# Altium PCB PCIE to MXM3.1 Riser Mini.PCBDOC
Units mm, origin at the board's own origin, x right, y up, seen from the top; angles counter-clockwise.
Board outline 148 x 111.15 mm, 4 copper layers (TopLayer, InternalPlane1, InternalPlane2, BottomLayer); 7 components, 81 nets, 551 pads, 4 vias.
Unrouted connection lines stored in the file: 69.
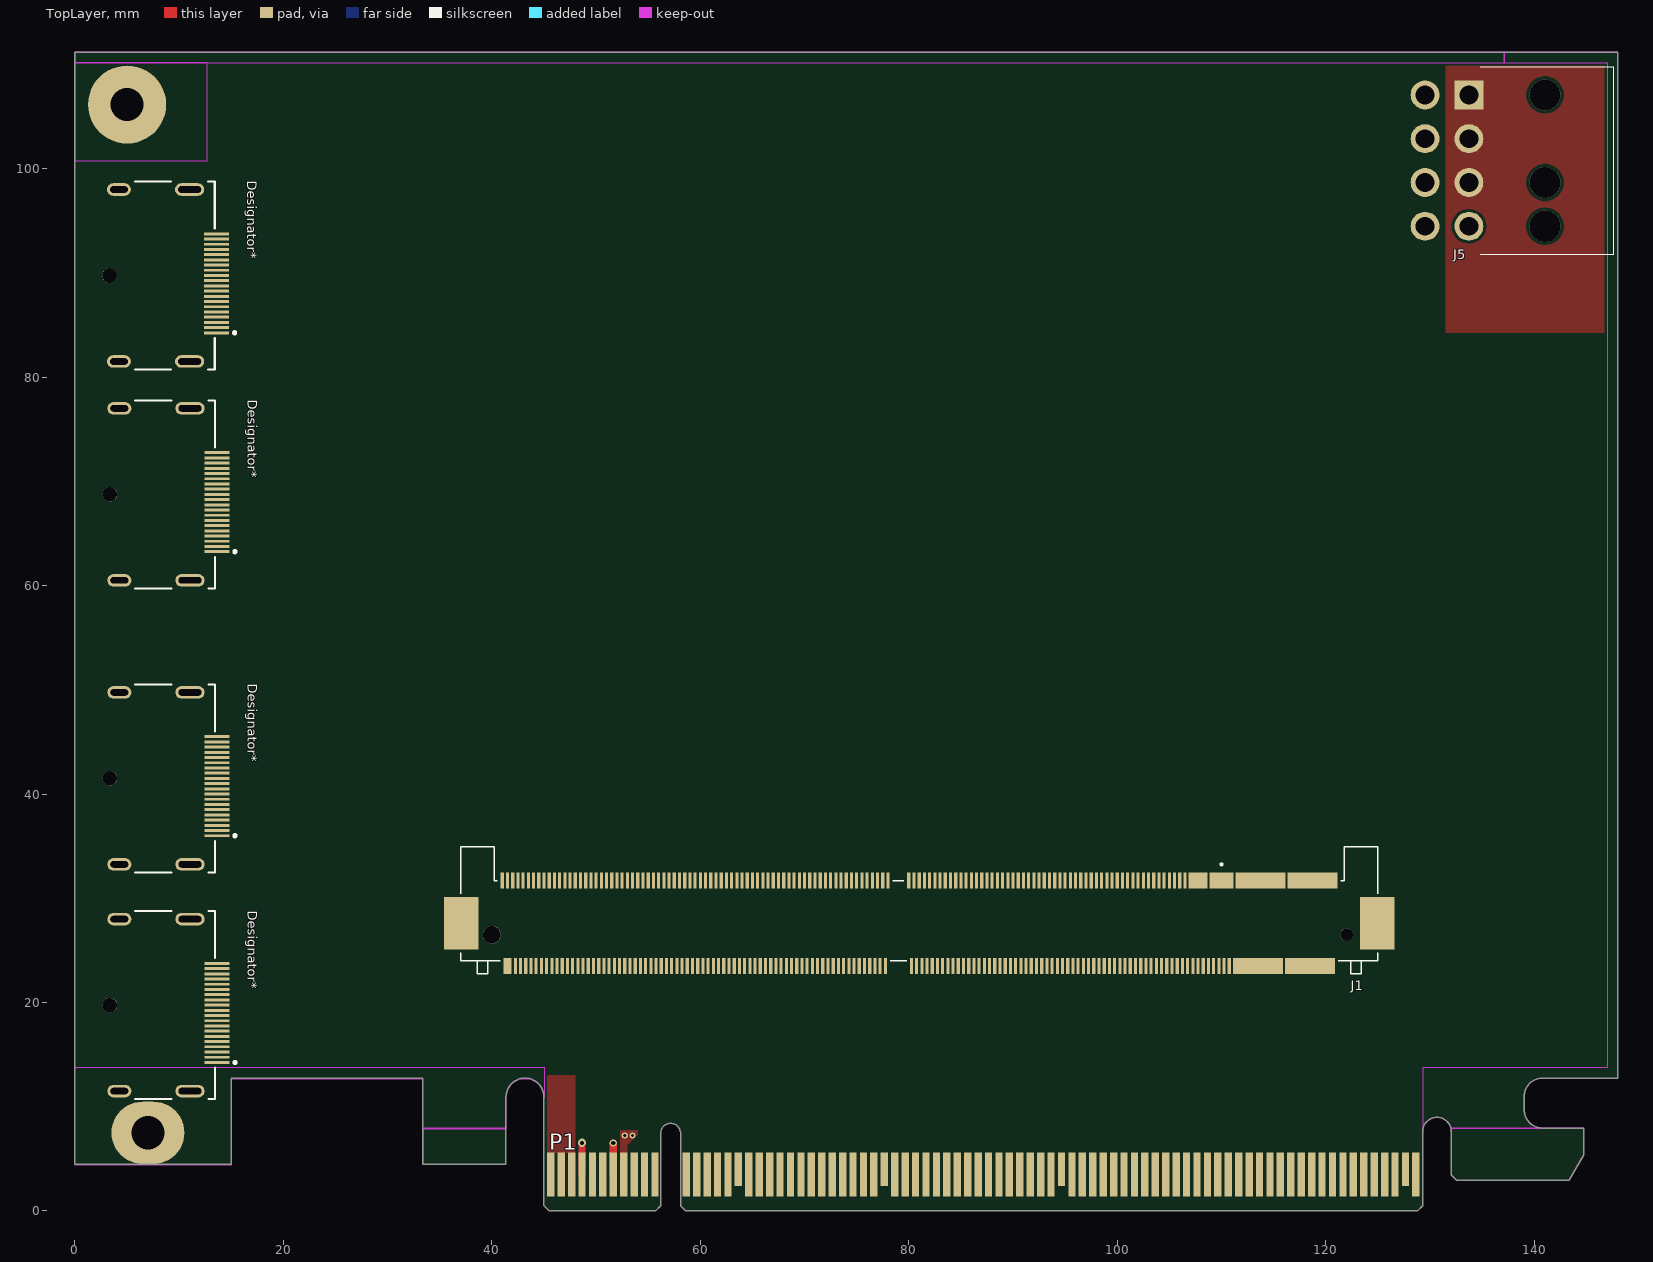
[diagram p0: TopLayer view]
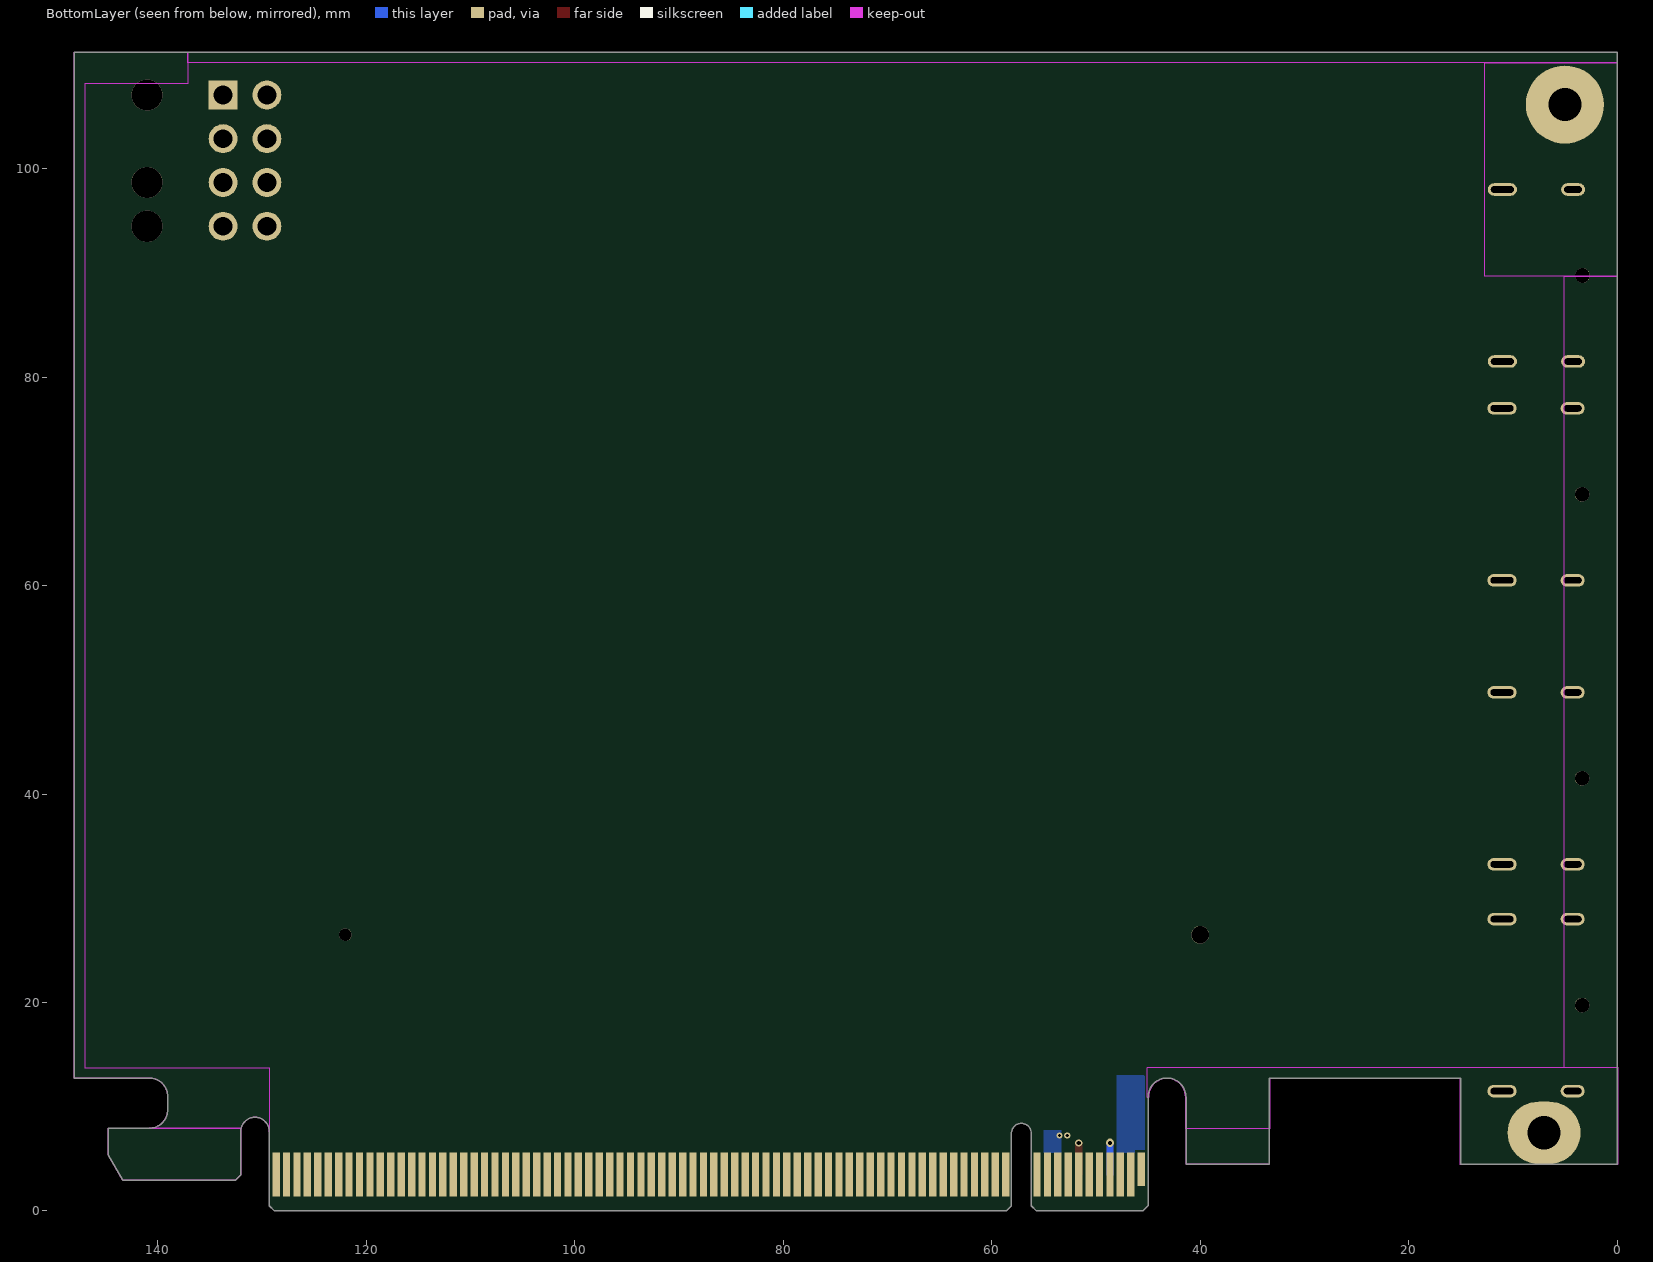
[diagram p1: BottomLayer view, seen from below]
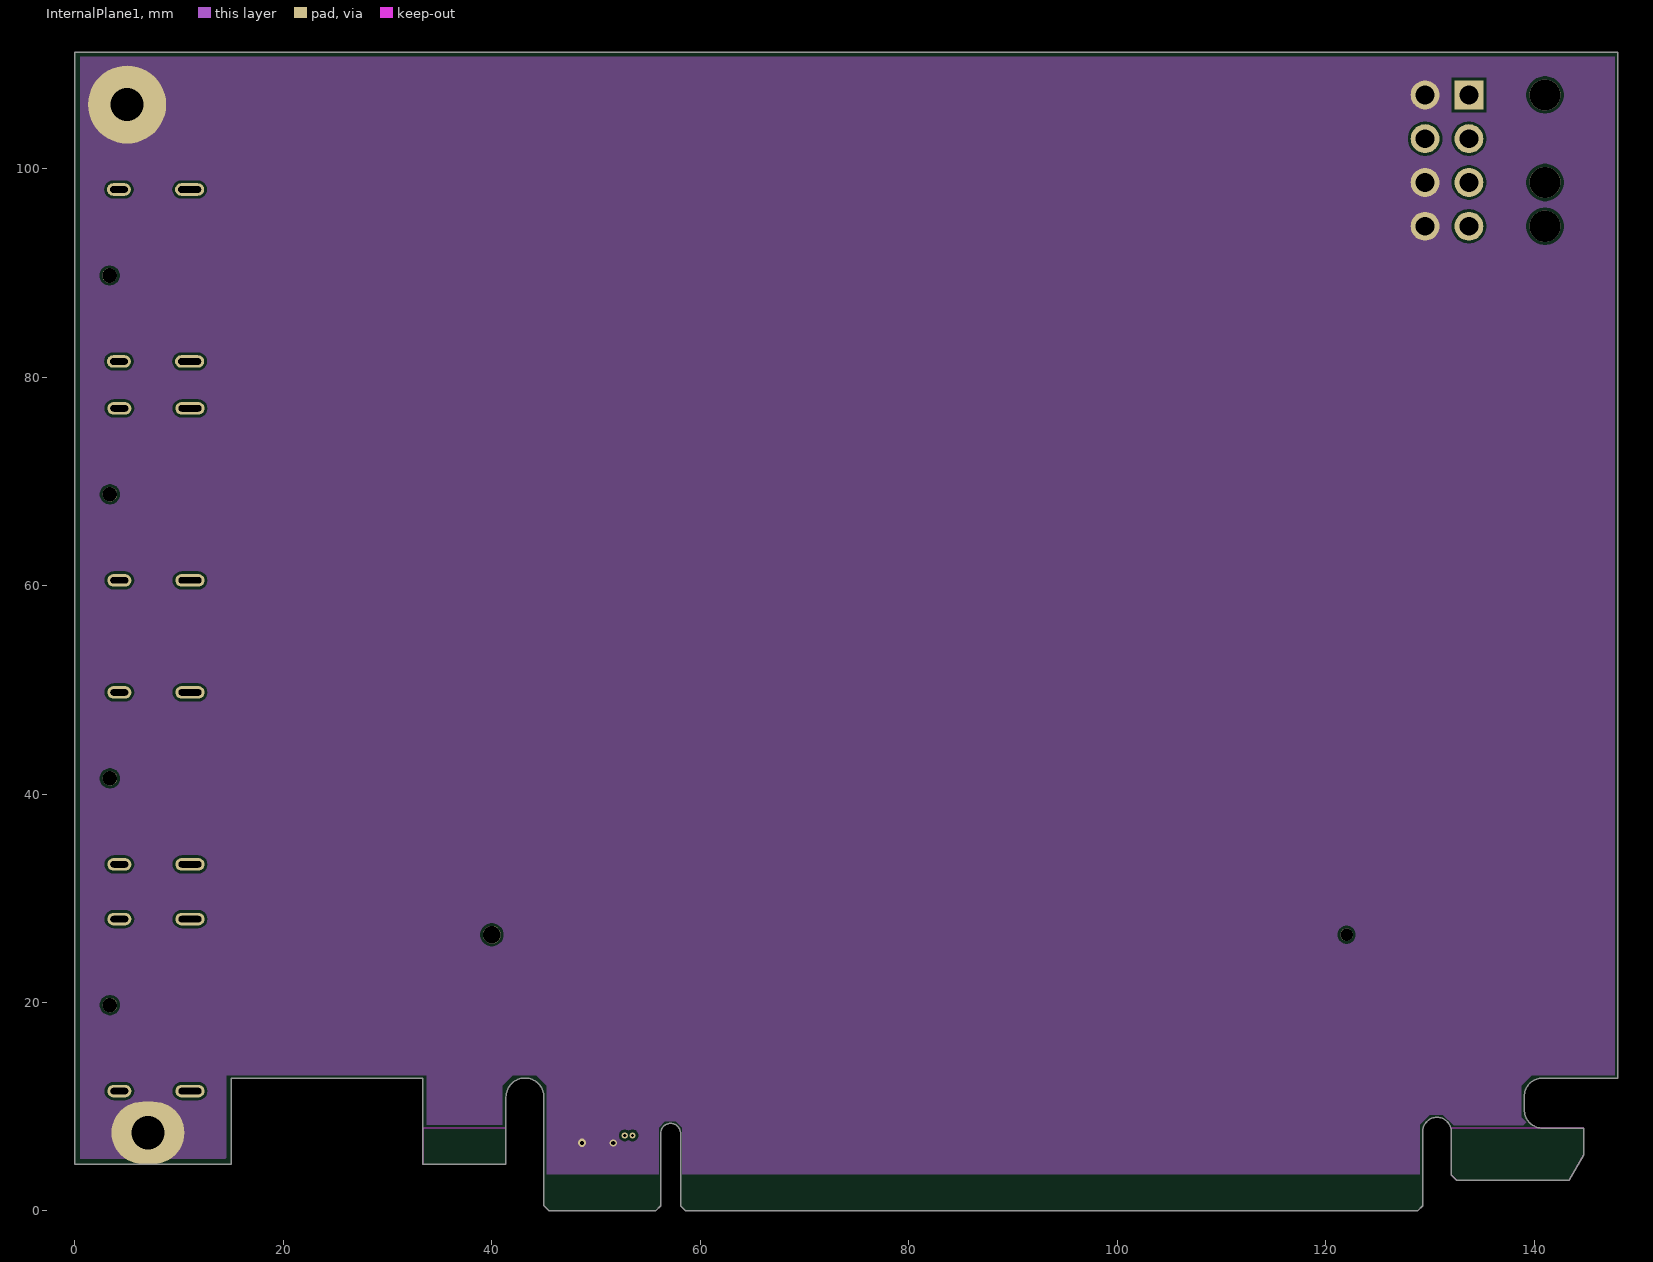
[diagram p2: InternalPlane1]
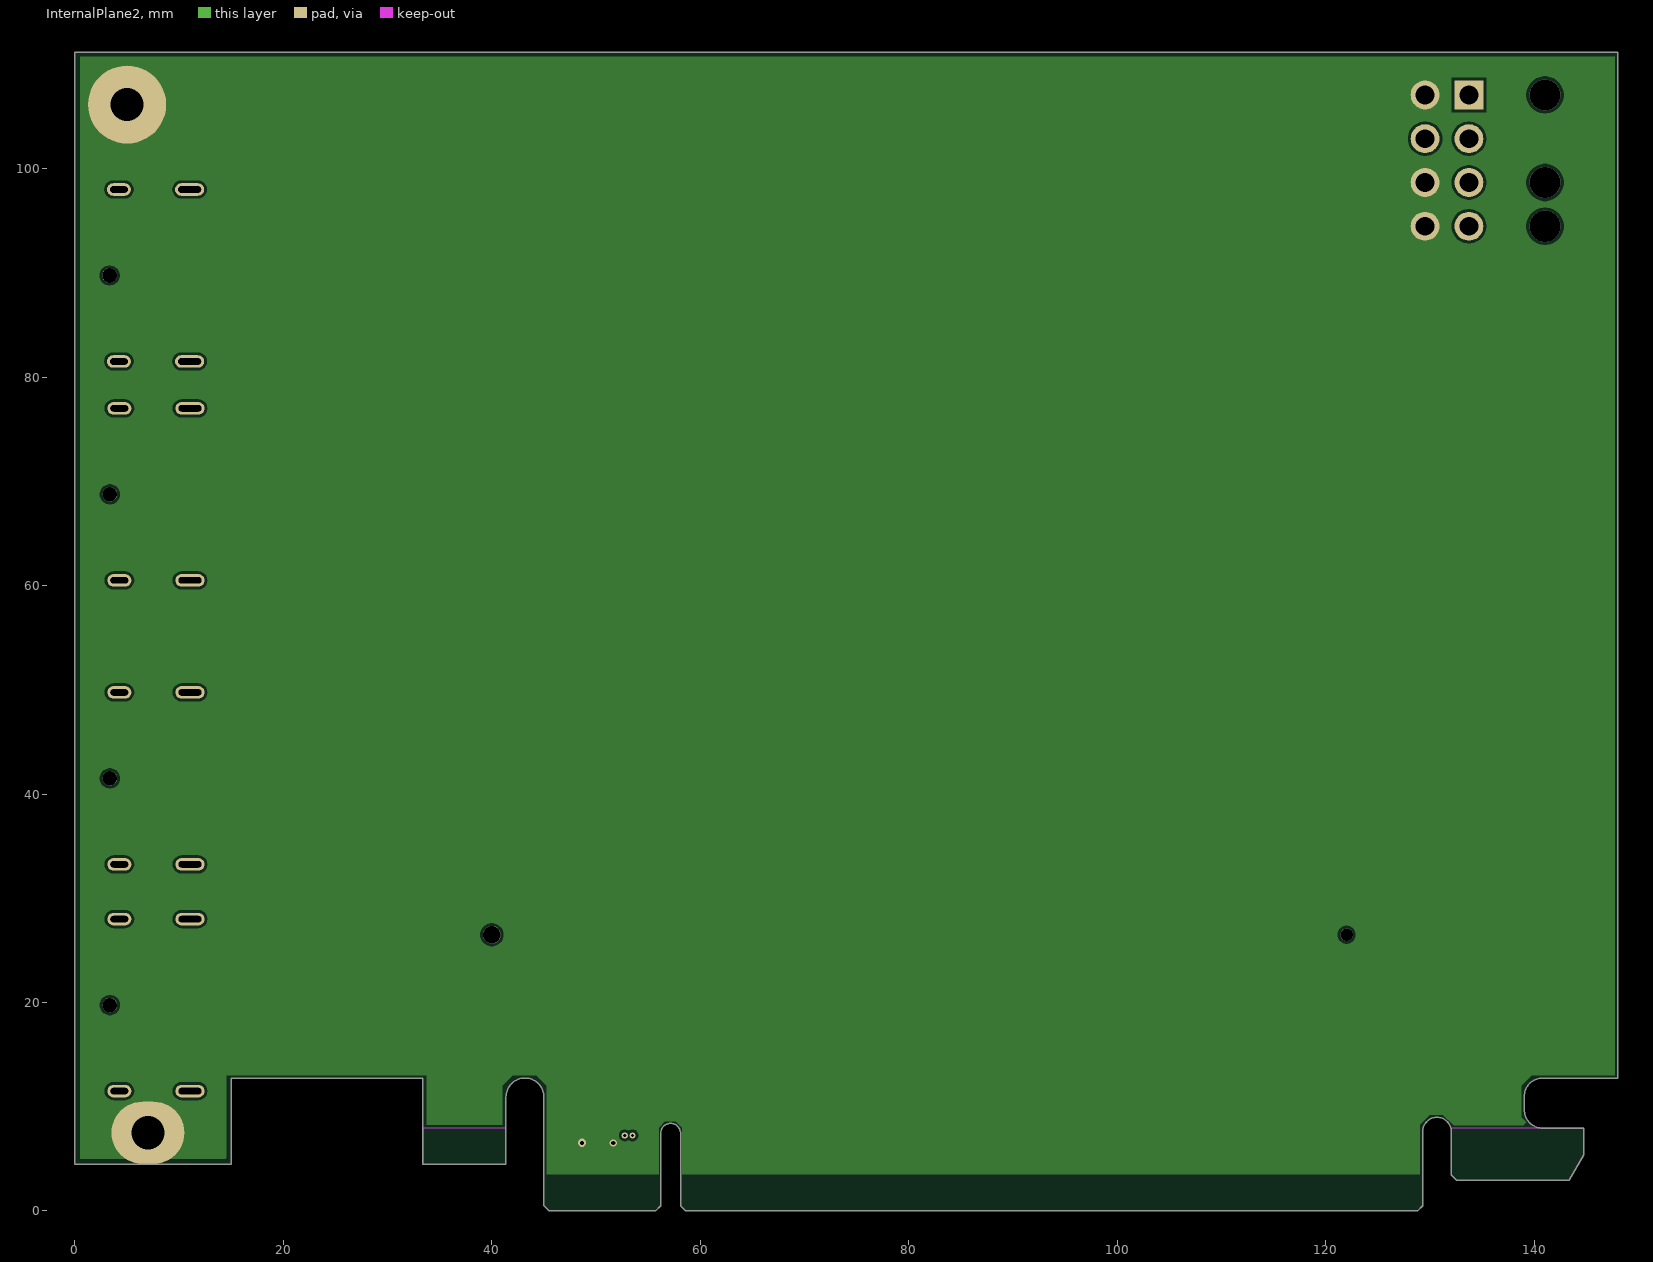
[diagram p3: InternalPlane2]

## Layer stack, top to bottom
TopSolder: solder mask 0.0102, Solder Resist, Dk 3.5
TopLayer: signal copper 0.0178
Dielectric1: core 0.32, FR-4, Dk 4.8
InternalPlane1: signal copper 0.0356
Dielectric2: prepreg 0.32, FR-4, Dk 4.8
InternalPlane2: signal copper 0.0356
Dielectric3: core 0.32, FR-4, Dk 4.8
BottomLayer: signal copper 0.0178
BottomSolder: solder mask 0.0102, Solder Resist, Dk 3.5

## Board outline
33.35,4.5 41.35,4.5 41.35,10.925 cw(c43.175,10.925) 45,10.925 45,0.5 45.5,0 55.7,0 56.2,0.5 56.2,7.45 cw(c57.15,7.45) 58.1,7.45 58.1,0.5 58.6,0 128.8,0 129.3,0.5 129.3,7.605 cw(c130.675,7.605) 132.05,7.605 132.05,3.45 132.55,2.95 143.35,2.95 144.75,5.375 144.75,7.95 140.8,7.95 cw(c140.8,9.7) 139.05,9.7 139.05,11 cw(c140.8,11) 140.8,12.75 148,12.75 148,111.15 0,111.15 0,4.5 15,4.5 15,12.75 33.35,12.75

## Design rules (kind name [scope] priority, off if disabled: settings)
Clearance [All] p1: gap=0.254 ignorepadtopadclearanceinfootprint=FALSE except(0: Arc-Hole Track-Hole SMDPad-Hole THPad-Hole Via-Hole Fill-Hole Poly-Hole Region-Hole Text-Hole)
DiffPairsRouting [All] p1: maxlimit=0.254 minlimit=0.09 mostfreqgap=0.127 toplayer_minwidth=0.09 toplayer_maxwidth=0.254 toplayer_prefwidth=0.127 midlayer1_minwidth=0.09 midlayer1_maxwidth=0.254 midlayer1_prefwidth=0.127 midlayer2_minwidth=0.09 midlayer2_maxwidth=0.254 midlayer2_prefwidth=0.127 bottomlayer_minwidth=0.09 bottomlayer_maxwidth=0.254 bottomlayer_prefwidth=0.127 maxuncoupledlength=12.7
FabricationTestPointUsage TestPointUsage [All] p1: valid=0 allowmultiple=FALSE
FabricationTestpoint Testpoint [All] p1: side=3 testpointundercomponent=TRUE minsize=1.016 maxsize=2.54 preferedsize=1.524 minholesize=0.508 maxholesize=1.016 preferedholesize=0.813 testpointgrid=0.025 allowsidetop=TRUE allowsidebottom=TRUE usegrid=TRUE gridtolerance=0
Height "PCI Express, Page 84, \"Component Height Constraints\" for solder side" [OnBottomLayer] p1: minheight=0 maxheight=2.67 prefheight=2.67
Height "PCI Express, Page 84, \"Component Height Constraints\" for component side" [OnTopLayer] p2: minheight=0 maxheight=14.47 prefheight=14.47
PlaneClearance [All] p1: clearance=0.5
PolygonConnect PolygonConnect_9 [All vs IsNamedPolygon('+3.3V_L01_P002')] p1: connectstyle=Direct reliefconductorwidth=0.254 reliefentries=4 polygonreliefangle="90 Angle" airgapwidth=0.254
PolygonConnect PolygonConnect_8 [All vs IsNamedPolygon('+3.3V_L04_P003')] p2: connectstyle=Direct reliefconductorwidth=0.254 reliefentries=4 polygonreliefangle="90 Angle" airgapwidth=0.254
PolygonConnect PolygonConnect_7 [All vs IsNamedPolygon('GND_L02_P001')] p3: connectstyle=Direct reliefconductorwidth=0.254 reliefentries=4 polygonreliefangle="90 Angle" airgapwidth=0.254
PolygonConnect PolygonConnect_6 [All vs IsNamedPolygon('GND_L03_P005')] p4: connectstyle=Direct reliefconductorwidth=0.254 reliefentries=4 polygonreliefangle="90 Angle" airgapwidth=0.254
PolygonConnect PolygonConnect_5 [All vs IsNamedPolygon('+12V_L01_P006')] p5: connectstyle=Direct reliefconductorwidth=0.254 reliefentries=4 polygonreliefangle="90 Angle" airgapwidth=0.254
PolygonConnect PolygonConnect_4 [All vs IsNamedPolygon('+12V_L04_P004')] p6: connectstyle=Direct reliefconductorwidth=0.254 reliefentries=4 polygonreliefangle="90 Angle" airgapwidth=0.254
PolygonConnect PolygonConnect_3 [All vs IsNamedPolygon('+3.3V_L04_P003')] p7: thpad.connectstyle=Direct thpad.reliefconductorwidth=0.254 thpad.reliefentries=4 thpad.polygonreliefangle="90 Angle" thpad.airgapwidth=0.254 smdpad.connectstyle=Direct smdpad.reliefconductorwidth=0.254 smdpad.reliefentries=4 smdpad.polygonreliefangle="90 Angle" smdpad.airgapwidth=0.254 via.connectstyle=Relief via.reliefconductorwidth=0.254 via.reliefentries=4 via.polygonreliefangle="90 Angle" via.airgapwidth=0.254
PolygonConnect PolygonConnect_2 [All vs IsNamedPolygon('+3.3V_L01_P002') Or IsNamedPolygon('+12V_L01_P000') Or IsNamedPolygon('GND_L02_P001') Or IsNamedPolygon('+3.3V_L04_P003')] p8: thpad.connectstyle=Direct thpad.reliefconductorwidth=0.254 thpad.reliefentries=4 thpad.polygonreliefangle="90 Angle" thpad.airgapwidth=0.254 smdpad.connectstyle=Direct smdpad.reliefconductorwidth=0.254 smdpad.reliefentries=4 smdpad.polygonreliefangle="90 Angle" smdpad.airgapwidth=0.254 via.connectstyle=Relief via.reliefconductorwidth=0.254 via.reliefentries=4 via.polygonreliefangle="90 Angle" via.airgapwidth=0.254
PolygonConnect PolygonConnect_1 [All vs IsNamedPolygon('+12V_L01_P000')] p9: thpad.connectstyle=Direct thpad.reliefconductorwidth=0.254 thpad.reliefentries=4 thpad.polygonreliefangle="90 Angle" thpad.airgapwidth=0.254 smdpad.connectstyle=Direct smdpad.reliefconductorwidth=0.254 smdpad.reliefentries=4 smdpad.polygonreliefangle="90 Angle" smdpad.airgapwidth=0.254 via.connectstyle=Relief via.reliefconductorwidth=0.254 via.reliefentries=4 via.polygonreliefangle="90 Angle" via.airgapwidth=0.254
PolygonConnect [All] p10: connectstyle=Relief reliefconductorwidth=0.254 reliefentries=4 polygonreliefangle="90 Angle" airgapwidth=0.254
RoutingVias [All] p1: holewidth=0.25 width=0.45 viastyle="Through Hole" minholewidth=0.4 minwidth=0.8 maxholewidth=0.3 maxwidth=0.6
SilkToSolderMaskClearance SilkscreenOverComponentPads [IsPad] p1: minsilkscreentomaskgap=0.254 clearancetoexposedcopper=TRUE
SolderMaskExpansion [All] p1: expansion=0 istentingtop=FALSE
Width [All] p1: maxlimit=0.254 minlimit=0.254 preferedwidth=0.254
24 further rules are at their usual default settings.

## Classes and differential pairs
net class JTAG[1..5]: JTAG1 JTAG2 JTAG3 JTAG4 JTAG5
component class U_CON_PCI_Express_X16_164PIN: P1
component class "Edge Connector": P1
differential pair PET15: +PET15_P -PET15_N
differential pair PET14: +PET14_P -PET14_N
differential pair PET13: +PET13_P -PET13_N
differential pair PET12: +PET12_P -PET12_N
differential pair PET11: +PET11_P -PET11_N
differential pair PET10: +PET10_P -PET10_N
differential pair PET9: +PET9_P -PET9_N
differential pair PET8: +PET8_P -PET8_N
differential pair PET7: +PET7_P -PET7_N
differential pair PET6: +PET6_P -PET6_N
differential pair PET5: +PET5_P -PET5_N
differential pair PET4: +PET4_P -PET4_N
differential pair PET3: +PET3_P -PET3_N
differential pair PET2: +PET2_P -PET2_N
differential pair PET1: +PET1_P -PET1_N
differential pair PET0: +PET0_P -PET0_N
differential pair PER15: +PER15_P -PER15_N
differential pair PER14: +PER14_P -PER14_N
differential pair PER13: +PER13_P -PER13_N
differential pair PER12: +PER12_P -PER12_N
differential pair PER11: +PER11_P -PER11_N
differential pair PER10: +PER10_P -PER10_N
differential pair PER9: +PER9_P -PER9_N
differential pair PER8: +PER8_P -PER8_N
differential pair PER7: +PER7_P -PER7_N
differential pair PER6: +PER6_P -PER6_N
differential pair PER5: +PER5_P -PER5_N
differential pair PER4: +PER4_P -PER4_N
differential pair PER3: +PER3_P -PER3_N
differential pair PER2: +PER2_P -PER2_N
differential pair PER1: +PER1_P -PER1_N
differential pair PER0: +PER0_P -PER0_N

## Components (designator, comment, footprint, x,y, rotation, side; value= is the part's Value field where it differs from the comment)
Designator* "Comment" FP-47272-0001-MFG 6.215,89.75 r270 top
Designator* "Comment" FP-47272-0001-MFG 6.25,68.75 r270 top
Designator* "Comment" FP-47272-0001-MFG 6.25,41.5 r270 top
Designator* "Comment" FP-47272-0001-MFG 6.25,19.75 r270 top
J1 "Comment" JAE_MM70-314-310B1-2-R300 79,26.5 r180 top
J5 "Comment" Molex_45586-8-Pin-PWR 138.25,100.75 r270 top
P1 "PCIeX16-GF-2D-1000-1K-O164" PCIeX16-GF-2D-1000-1K-O164 55.15,3.5 r0 top locked

## Footprints (in the part's own frame and the unit in brackets; to place one, negate y for a bottom-side part, rotate by r counter-clockwise, add the part's x,y. Pads: shape width x height; smd on the part's side, far side on the other; paste and mask are expansions set on the pad)
FP-47272-0001-MFG [mm]
  rect 0.28x2.4 smd paste+0 mask+0: 1(5.5,7.385) 2(5,7.385) 3(4.5,7.385) 4(4,7.385) 5(3.5,7.385) 6(3,7.385) 7(2.5,7.385) 8(2,7.385) 9(1.5,7.385) 10(1,7.385) 11(0.5,7.385) 12(0,7.385) 13(-0.5,7.385) 14(-1,7.385) 15(-1.5,7.385) 16(-2,7.385) 17(-2.5,7.385) 18(-3,7.385) 19(-3.5,7.385) 20(-4,7.385)
  rrect100% 1.2x2.8 hole 2.2 slot 0.6 at 0 deg paste-1000 mask+0: 21(-8.25,4.785) 22(8.25,4.785)
  rrect100% 1.2x2.3 hole 1.7 slot 0.6 at 0 deg paste-1000 mask+0: 23(-8.25,-1.995) 24(8.25,-1.995)
  round 1.4 hole 1.4 unplated paste-1000 mask+0: ""(0,-2.895)
  silkscreen extent -9.02,-0.47 9.02,9.23, body extent -9.12,-7.54 9.12,8.68, height 0.25
JAE_MM70-314-310B1-2-R300 [mm]
  rect 2.3x1.5 smd: 1(-31,-5.2)
  rect 0.3x1.5 smd: 2(-31.75,3) 4(-31.25,3) 6(-30.75,3) 8(-30.25,3) 10(-29.75,3) 12(-29.25,3) 14(-28.75,3) 16(-28.25,3) 18(-27.75,3) 19(-27.5,-5.2) 20(-27.25,3) 21(-27,-5.2) 22(-26.75,3) 23(-26.5,-5.2) 24(-26.25,3) 25(-26,-5.2) 26(-25.75,3) 27(-25.5,-5.2) 28(-25.25,3) 29(-25,-5.2) 30(-24.75,3) 31(-24.5,-5.2) 32(-24.25,3) 33(-24,-5.2) 34(-23.75,3) 35(-23.5,-5.2) 36(-23.25,3) 37(-23,-5.2) 38(-22.75,3) 39(-22.5,-5.2) 40(-22.25,3) 41(-22,-5.2) 42(-21.75,3) 43(-21.5,-5.2) 44(-21.25,3) 45(-21,-5.2) 46(-20.75,3) 47(-20.5,-5.2) 48(-20.25,3) 49(-20,-5.2) 50(-19.75,3) 51(-19.5,-5.2) 52(-19.25,3) 53(-19,-5.2) 54(-18.75,3) 55(-18.5,-5.2) 56(-18.25,3) 57(-18,-5.2) 58(-17.75,3) 59(-17.5,-5.2) 60(-17.25,3) 61(-17,-5.2) 62(-16.75,3) 63(-16.5,-5.2) 64(-16.25,3) 65(-16,-5.2) 66(-15.75,3) 67(-15.5,-5.2) 68(-15.25,3) 69(-15,-5.2) 70(-14.75,3) 71(-14.5,-5.2) 72(-14.25,3) 73(-14,-5.2) 74(-13.75,3) 75(-13.5,-5.2) 76(-13.25,3) 77(-13,-5.2) 78(-12.75,3) 79(-12.5,-5.2) 80(-12.25,3) 81(-12,-5.2) 82(-11.75,3) 83(-11.5,-5.2) 84(-11.25,3) 85(-11,-5.2) 86(-10.75,3) 87(-10.5,-5.2) 88(-10.25,3) 89(-10,-5.2) 90(-9.75,3) 91(-9.5,-5.2) 92(-9.25,3) 93(-9,-5.2) 94(-8.75,3) 95(-8.5,-5.2) 96(-8.25,3) 97(-8,-5.2) 98(-7.75,3) 99(-7.5,-5.2) 100(-7.25,3) 101(-7,-5.2) 102(-6.75,3) 103(-6.5,-5.2) 104(-6.25,3) 105(-6,-5.2) 106(-5.75,3) 107(-5.5,-5.2) 108(-5.25,3) 109(-5,-5.2) 110(-4.75,3) 111(-4.5,-5.2) 112(-4.25,3) 113(-4,-5.2) 114(-3.75,3) 115(-3.5,-5.2) 116(-3.25,3) 117(-3,-5.2) 118(-2.75,3) 119(-2.5,-5.2) 120(-2.25,3) 121(-2,-5.2) 122(-1.75,3) 123(-1.5,-5.2) 124(-1.25,3) 125(-1,-5.2) 133(1,-5.2) 134(1.25,3) 135(1.5,-5.2) 136(1.75,3) 137(2,-5.2) 138(2.25,3) 139(2.5,-5.2) 140(2.75,3) 141(3,-5.2) 142(3.25,3) 143(3.5,-5.2) 144(3.75,3) 145(4,-5.2) 146(4.25,3) 147(4.5,-5.2) 148(4.75,3) 149(5,-5.2) 150(5.25,3) 151(5.5,-5.2) 152(5.75,3) 153(6,-5.2) 154(6.25,3) 155(6.5,-5.2) 156(6.75,3) 157(7,-5.2) 158(7.25,3) 159(7.5,-5.2) 160(7.75,3) 161(8,-5.2) 162(8.25,3) 163(8.5,-5.2) 164(8.75,3) 165(9,-5.2) 166(9.25,3) 167(9.5,-5.2) 168(9.75,3) 169(10,-5.2) 170(10.25,3) 171(10.5,-5.2) 172(10.75,3) 173(11,-5.2) 174(11.25,3) 175(11.5,-5.2) 176(11.75,3) 177(12,-5.2) 178(12.25,3) 179(12.5,-5.2) 180(12.75,3) 181(13,-5.2) 182(13.25,3) 183(13.5,-5.2) 184(13.75,3) 185(14,-5.2) 186(14.25,3) 187(14.5,-5.2) 188(14.75,3) 189(15,-5.2) 190(15.25,3) 191(15.5,-5.2) 192(15.75,3) 193(16,-5.2) 194(16.25,3) 195(16.5,-5.2) 196(16.75,3) 197(17,-5.2) 198(17.25,3) 199(17.5,-5.2) 200(17.75,3) 201(18,-5.2) 202(18.25,3) 203(18.5,-5.2) 204(18.75,3) 205(19,-5.2) 206(19.25,3) 207(19.5,-5.2) 208(19.75,3) 209(20,-5.2) 210(20.25,3) 211(20.5,-5.2) 212(20.75,3) 213(21,-5.2) 214(21.25,3) 215(21.5,-5.2) 216(21.75,3) 217(22,-5.2) 218(22.25,3) 219(22.5,-5.2) 220(22.75,3) 221(23,-5.2) 222(23.25,3) 223(23.5,-5.2) 224(23.75,3) 225(24,-5.2) 226(24.25,3) 227(24.5,-5.2) 228(24.75,3) 229(25,-5.2) 230(25.25,3) 231(25.5,-5.2) 232(25.75,3) 233(26,-5.2) 234(26.25,3) 235(26.5,-5.2) 236(26.75,3) 237(27,-5.2) 238(27.25,3) 239(27.5,-5.2) 240(27.75,3) 241(28,-5.2) 242(28.25,3) 243(28.5,-5.2) 244(28.75,3) 245(29,-5.2) 246(29.25,3) 247(29.5,-5.2) 248(29.75,3) 249(30,-5.2) 250(30.25,3) 251(30.5,-5.2) 252(30.75,3) 253(31,-5.2) 254(31.25,3) 255(31.5,-5.2) 256(31.75,3) 257(32,-5.2) 258(32.25,3) 259(32.5,-5.2) 260(32.75,3) 261(33,-5.2) 262(33.25,3) 263(33.5,-5.2) 264(33.75,3) 265(34,-5.2) 266(34.25,3) 267(34.5,-5.2) 268(34.75,3) 269(35,-5.2) 270(35.25,3) 271(35.5,-5.2) 272(35.75,3) 273(36,-5.2) 274(36.25,3) 275(36.5,-5.2) 276(36.75,3) 277(37,-5.2) 279(37.5,-5.2) 281(38,-5.2)
  rect 1.8x1.5 smd: 11(-28.75,-5.2)
  rect 0.8x1.5 smd: 278(37.5,3)
  rect 4.8x1.5 smd: E1(-39.75,-5.2) E2(-39.5,3) E3(-34.75,-5.2) E4(-34.5,3)
  rect 3.3x5 smd: S1(-45.95,-1.1) S2(41.95,-1.1)
  round 1.2 hole 1.2 unplated: ""(-43,0)
  round 1.7 hole 1.7 unplated: ""(39,0)
  silkscreen extent -46,-8.45 42,3.75
Molex_45586-8-Pin-PWR [mm]
  rect 2.775x2.775 hole 1.8: 1(-6.325,-4.513)
  round 2.775 hole 1.8: 2(-2.125,-4.513) 3(2.075,-4.513) 4(6.275,-4.513) 5(-6.325,-8.713) 6(-2.125,-8.713) 7(2.075,-8.713) 8(6.275,-8.713)
  round 3 hole 3: ""(-6.325,2.787) ""(2.075,2.787) ""(6.275,2.787)
  silkscreen extent -9.02,-3.41 8.98,9.39, body extent -9.41,-9.24 8.99,9.4, height 12.2
PCIeX16-GF-2D-1000-1K-O164 [mm] "Golden finger, PCIeX16, Dual, Opposite, Pitch 1mm, 164-Position"
  rect 0.7x3.2 smd far side paste-1: A1(-9.5,0.5)
  rect 0.7x4.2 smd far side paste-1: A2(-8.5,0) A3(-7.5,0) A4(-6.5,0) A5(-5.5,0) A6(-4.5,0) A7(-3.5,0) A8(-2.5,0) A9(-1.5,0) A10(-0.5,0) A11(0.5,0) A12(3.5,0) A13(4.5,0) A14(5.5,0) A15(6.5,0) A16(7.5,0) A17(8.5,0) A18(9.5,0) A19(10.5,0) A20(11.5,0) A21(12.5,0) A22(13.5,0) A23(14.5,0) A24(15.5,0) A25(16.5,0) A26(17.5,0) A27(18.5,0) A28(19.5,0) A29(20.5,0) A30(21.5,0) A31(22.5,0) A32(23.5,0) A33(24.5,0) A34(25.5,0) A35(26.5,0) A36(27.5,0) A37(28.5,0) A38(29.5,0) A39(30.5,0) A40(31.5,0) A41(32.5,0) A42(33.5,0) A43(34.5,0) A44(35.5,0) A45(36.5,0) A46(37.5,0) A47(38.5,0) A48(39.5,0) A49(40.5,0) A50(41.5,0) A51(42.5,0) A52(43.5,0) A53(44.5,0) A54(45.5,0) A55(46.5,0) A56(47.5,0) A57(48.5,0) A58(49.5,0) A59(50.5,0) A60(51.5,0) A61(52.5,0) A62(53.5,0) A63(54.5,0) A64(55.5,0) A65(56.5,0) A66(57.5,0) A67(58.5,0) A68(59.5,0) A69(60.5,0) A70(61.5,0) A71(62.5,0) A72(63.5,0) A73(64.5,0) A74(65.5,0) A75(66.5,0) A76(67.5,0) A77(68.5,0) A78(69.5,0) A79(70.5,0) A80(71.5,0) A81(72.5,0) A82(73.5,0)
  rect 0.7x4.2 smd paste-1: B1(-9.5,0) B2(-8.5,0) B3(-7.5,0) B4(-6.5,0) B5(-5.5,0) B6(-4.5,0) B7(-3.5,0) B8(-2.5,0) B9(-1.5,0) B10(-0.5,0) B11(0.5,0) B12(3.5,0) B13(4.5,0) B14(5.5,0) B15(6.5,0) B16(7.5,0) B18(9.5,0) B19(10.5,0) B20(11.5,0) B21(12.5,0) B22(13.5,0) B23(14.5,0) B24(15.5,0) B25(16.5,0) B26(17.5,0) B27(18.5,0) B28(19.5,0) B29(20.5,0) B30(21.5,0) B32(23.5,0) B33(24.5,0) B34(25.5,0) B35(26.5,0) B36(27.5,0) B37(28.5,0) B38(29.5,0) B39(30.5,0) B40(31.5,0) B41(32.5,0) B42(33.5,0) B43(34.5,0) B44(35.5,0) B45(36.5,0) B46(37.5,0) B47(38.5,0) B49(40.5,0) B50(41.5,0) B51(42.5,0) B52(43.5,0) B53(44.5,0) B54(45.5,0) B55(46.5,0) B56(47.5,0) B57(48.5,0) B58(49.5,0) B59(50.5,0) B60(51.5,0) B61(52.5,0) B62(53.5,0) B63(54.5,0) B64(55.5,0) B65(56.5,0) B66(57.5,0) B67(58.5,0) B68(59.5,0) B69(60.5,0) B70(61.5,0) B71(62.5,0) B72(63.5,0) B73(64.5,0) B74(65.5,0) B75(66.5,0) B76(67.5,0) B77(68.5,0) B78(69.5,0) B79(70.5,0) B80(71.5,0) B82(73.5,0)
  rect 0.7x3.2 smd paste-1: B17(8.5,0.5) B31(22.5,0.5) B48(39.5,0.5) B81(72.5,0.5)

## Part data
P1: library part CMP-0001-00033-2, "Golden finger, PCIeX16, Dual, Opposite, Pitch 1mm, 164-Position"

## Free pads (board coordinates)
  oval 7x6 hole 3.18 unplated: MH3(7,7.5)
  round 7.5 hole 3.18 unplated: MH4(5,106.15)

## Via types
v1: diameter 0.6, hole 0.3, TopLayer to BottomLayer, tented both sides, 2 vias
v2: diameter 0.8, hole 0.4, TopLayer to BottomLayer, tented both sides, 1 vias
v3: diameter 0.7, hole 0.4, TopLayer to BottomLayer, tented both sides, 1 vias

## Nets (pads, with @x,y where several pads share a name; then routed paths per layer and width w, separated by ;. In a path a pad name is that pad's centre, name@x,y a point inside that pad or via, vN(x,y) a via of type N, cw(c..) or ccw(c..) an arc to the next point about the centre after c; other vN are vias at no path point)
3.3VAUX: P1.B10
+3.3V: P1.A9 P1.A10 P1.B8
  other v1: 52.75,7.25 53.5,7.25
+12V: P1.A2 P1.A3 P1.B1 P1.B2 P1.B3
GND: P1.A4 P1.A12 P1.A15 P1.A18 P1.A20 P1.A23 P1.A24 P1.A27 P1.A28 P1.A31 P1.A34 P1.A37 P1.A38 P1.A41 P1.A42 P1.A45 P1.A46 P1.A49 P1.A51 P1.A54 P1.A55 P1.A58 P1.A59 P1.A62 P1.A63 P1.A66 P1.A67 P1.A70 P1.A71 P1.A74 P1.A75 P1.A78 P1.A79 P1.A82 P1.B4 P1.B7 P1.B13 P1.B16 P1.B18 P1.B21 P1.B22 P1.B25 P1.B26 P1.B29 P1.B32 P1.B35 P1.B36 P1.B39 P1.B40 P1.B43 P1.B44 P1.B47 P1.B49 P1.B52 P1.B53 P1.B56 P1.B57 P1.B60 P1.B61 P1.B64 P1.B65 P1.B68 P1.B69 P1.B72 P1.B73 P1.B76 P1.B77 P1.B80 pad.MH3 pad.MH4 | length 9.1
  TopLayer w0.254: v2(48.642,6.53) v2@48.646,6.526 ; P1.B4@48.646,3.504 P1.B4
  TopLayer w0.69: P1.B4@48.646,3.504 v2@48.646,6.526 ; P1.B7 v3@51.65,6.522
  BottomLayer w0.69: P1.A4@48.642,3.508 v2(48.642,6.53)
  other v3: 51.646,6.526
JTAG1: P1.B9
JTAG2: P1.A5
JTAG3: P1.A6
JTAG4: P1.A7
JTAG5: P1.A8
PER0_N: P1.A17
PER0_P: P1.A16
PER1_N: P1.A22
PER1_P: P1.A21
PER2_N: P1.A26
PER2_P: P1.A25
PER3_N: P1.A30
PER3_P: P1.A29
PER4_N: P1.A36
PER4_P: P1.A35
PER5_N: P1.A40
PER5_P: P1.A39
PER6_N: P1.A44
PER6_P: P1.A43
PER7_N: P1.A48
PER7_P: P1.A47
PER8_N: P1.A53
PER8_P: P1.A52
PER9_N: P1.A57
PER9_P: P1.A56
PER10_N: P1.A61
PER10_P: P1.A60
PER11_N: P1.A65
PER11_P: P1.A64
PER12_N: P1.A69
PER12_P: P1.A68
PER13_N: P1.A73
PER13_P: P1.A72
PER14_N: P1.A77
PER14_P: P1.A76
PER15_N: P1.A81
PER15_P: P1.A80
PERST#: P1.A11
PET0_N: P1.B15
PET0_P: P1.B14
PET1_N: P1.B20
PET1_P: P1.B19
PET2_N: P1.B24
PET2_P: P1.B23
PET3_N: P1.B28
PET3_P: P1.B27
PET4_N: P1.B34
PET4_P: P1.B33
PET5_N: P1.B38
PET5_P: P1.B37
PET6_N: P1.B42
PET6_P: P1.B41
PET7_N: P1.B46
PET7_P: P1.B45
PET8_N: P1.B51
PET8_P: P1.B50
PET9_N: P1.B55
PET9_P: P1.B54
PET10_N: P1.B59
PET10_P: P1.B58
PET11_N: P1.B63
PET11_P: P1.B62
PET12_N: P1.B67
PET12_P: P1.B66
PET13_N: P1.B71
PET13_P: P1.B70
PET14_N: P1.B75
PET14_P: P1.B74
PET15_N: P1.B79
PET15_P: P1.B78
PRSNT1#: P1.A1
PRSNT2#: P1.B17 P1.B31 P1.B48 P1.B81
REFCLK+: P1.A13
REFCLK-: P1.A14
SMCLK: P1.B5
SMDAT: P1.B6
WAKE#: P1.B11
pads on no net: Designator*. Designator*.1 Designator*.2 Designator*.3 Designator*.4 Designator*.5 Designator*.6 Designator*.7 Designator*.8 Designator*.9 Designator*.10 Designator*.11 Designator*.12 Designator*.13 Designator*.14 Designator*.15 Designator*.16 Designator*.17 Designator*.18 Designator*.19 Designator*.20 Designator*.21 Designator*.22 Designator*.23 Designator*.24 J1. J1.1 J1.2 J1.4 J1.6 J1.8 J1.10 J1.11 J1.12 J1.14 J1.16 J1.18 J1.19 J1.20 J1.21 J1.22 J1.23 J1.24 J1.25 J1.26 J1.27 J1.28 J1.29 J1.30 J1.31 J1.32 J1.33 J1.34 J1.35 J1.36 J1.37 J1.38 J1.39 J1.40 J1.41 J1.42 J1.43 J1.44 J1.45 J1.46 J1.47 J1.48 J1.49 J1.50 J1.51 J1.52 J1.53 J1.54 J1.55 J1.56 J1.57 J1.58 J1.59 J1.60 J1.61 J1.62 J1.63 J1.64 J1.65 J1.66 J1.67 J1.68 J1.69 J1.70 J1.71 J1.72 J1.73 J1.74 J1.75 J1.76 J1.77 J1.78 J1.79 J1.80 J1.81 J1.82 J1.83 J1.84 J1.85 J1.86 J1.87 J1.88 J1.89 J1.90 J1.91 J1.92 J1.93 J1.94 J1.95 J1.96 J1.97 J1.98 J1.99 J1.100 J1.101 J1.102 J1.103 J1.104 J1.105 J1.106 J1.107 J1.108 J1.109 J1.110 J1.111 J1.112 J1.113 J1.114 J1.115 J1.116 J1.117 J1.118 J1.119 J1.120 J1.121 J1.122 J1.123 J1.124 J1.125 J1.133 J1.134 J1.135 J1.136 J1.137 J1.138 J1.139 J1.140 J1.141 J1.142 J1.143 J1.144 J1.145 J1.146 J1.147 J1.148 J1.149 J1.150 J1.151 J1.152 J1.153 J1.154 J1.155 J1.156 J1.157 J1.158 J1.159 J1.160 J1.161 J1.162 J1.163 J1.164 J1.165 J1.166 J1.167 J1.168 J1.169 J1.170 J1.171 J1.172 J1.173 J1.174 J1.175 J1.176 J1.177 J1.178 J1.179 J1.180 J1.181 J1.182 J1.183 J1.184 J1.185 J1.186 J1.187 J1.188 J1.189 J1.190 J1.191 J1.192 J1.193 J1.194 J1.195 J1.196 J1.197 J1.198 J1.199 J1.200 J1.201 J1.202 J1.203 J1.204 J1.205 J1.206 J1.207 J1.208 J1.209 J1.210 J1.211 J1.212 J1.213 J1.214 J1.215 J1.216 J1.217 J1.218 J1.219 J1.220 J1.221 J1.222 J1.223 J1.224 J1.225 J1.226 J1.227 J1.228 J1.229 J1.230 J1.231 J1.232 J1.233 J1.234 J1.235 J1.236 J1.237 J1.238 J1.239 J1.240 J1.241 J1.242 J1.243 J1.244 J1.245 J1.246 J1.247 J1.248 J1.249 J1.250 J1.251 J1.252 J1.253 J1.254 J1.255 J1.256 J1.257 J1.258 J1.259 J1.260 J1.261 J1.262 J1.263 J1.264 J1.265 J1.266 J1.267 J1.268 J1.269 J1.270 J1.271 J1.272 J1.273 J1.274 J1.275 J1.276 J1.277 J1.278 J1.279 J1.281 J1.E1 J1.E2 J1.E3 J1.E4 J1.S1 J1.S2 J5. J5.1 J5.2 J5.3 J5.4 J5.5 J5.6 J5.7 J5.8 P1.A19 P1.A32 P1.A33 P1.A50 P1.B12 P1.B30 P1.B82

## Polygon pours and split planes (outlines as drawn)
+12V on TopLayer "+12V_L01_P006" (solid, pour order 6): 147.25,110.25 131.5,110.25 131.5,84.25 147.25,84.25
+3.3V on TopLayer "+3.3V_L01_P002" (solid, remove dead copper, pour order 2): 53,6.299 54,7.299 54,7.75 53,7.75 52.301,7.75 52.301,5.6 53,5.6
+12V on TopLayer "+12V_L01_P000" (solid, pour order 0): 45.301,5.6 48,5.6 48,13 45.301,13
+12V on BottomLayer "+12V_L04_P004" (solid, pour order 4): 45.301,5.6 48,5.6 48,13 45.301,13
+3.3V on BottomLayer "+3.3V_L04_P003" (solid, pour order 3): 53.301,5.6 55,5.6 55,7.75 53.301,7.75
GND on InternalPlane1 "GND_L02_P001" (solid, pour order 1): 58.251,3.5 58.251,7.999 57.655,8.595 56.595,8.595 56,8 56,3.5 45.25,3.5 45.25,12 44.25,13 42,13 41,12 41,8.25 33.75,8.25 33.75,13 14.5,13 14.5,5 0.5,5 0.5,110.75 147.75,110.75 147.75,13 139.75,13 138.75,12 138.75,9 139.25,8.5 138.75,8 132.5,8 131.25,9.25 130,9.25 129,8.25 129,3.5 126.5,3.5
GND on InternalPlane2 "GND_L03_P005" (solid, pour order 5): 58.251,3.5 58.251,7.999 57.655,8.595 56.595,8.595 56,8 56,3.5 45.25,3.5 45.25,12 44.25,13 42,13 41,12 41,8.25 33.75,8.25 33.75,13 14.5,13 14.5,5 0.5,5 0.5,110.75 147.75,110.75 147.75,13 139.75,13 138.75,12 138.75,9 139.25,8.5 138.75,8 132.5,8 131.25,9.25 130,9.25 129,8.25 129,3.5 126.5,3.5

## Keep-outs
TopLayer:
  rectangle: 0,100.75 12.7,110.15
  rectangle: 0,110.15 137.15,111.15
  region: 0,4.45 15,4.45 ccw(c15,4.5) 15.05,4.5 15.05,12.7 33.3,12.7 33.3,7.95 ccw(c33.35,7.95) 33.35,7.9 41.35,7.9 ccw(c41.35,7.95) 41.4,7.95 41.4,10.925 cw(c43.175,10.925) 44.95,10.925 ccw(c45,10.925) 45.05,10.925 45.05,13.75 -0.05,13.75 -0.05,4.5 ccw(c0,4.5)
  region: 132.05,7.605 132.05,7.95 140.8,7.95 cw(c140.8,9.7) 139.05,9.7 139.05,11 cw(c140.8,11) 140.8,12.75 148,12.75 148,111.15 137.15,111.15 137.15,110.154 147,110.154 147,13.75 129.3,13.75 129.3,7.605 cw(c130.675,7.605)
BottomLayer:
  rectangle: 0,110.15 137.15,111.15
  rectangle: 0,89.7 12.7,110.15
  rectangle: 0,13.75 5.08,89.7
  region: 132.05,7.605 132.05,7.95 140.8,7.95 cw(c140.8,9.7) 139.05,9.7 139.05,11 cw(c140.8,11) 140.8,12.75 148,12.75 148,111.15 137.15,111.15 137.15,108.15 147,108.15 147,13.75 129.3,13.75 129.3,7.605 cw(c130.675,7.605)
  region: 0,4.45 15,4.45 ccw(c15,4.5) 15.05,4.5 15.05,12.7 33.3,12.7 33.3,7.95 ccw(c33.35,7.95) 33.35,7.9 41.35,7.9 ccw(c41.35,7.95) 41.4,7.95 ccw(c41.35,7.95) 41.4,7.951 41.4,10.925 cw(c43.175,10.925) 44.95,10.925 ccw(c45,10.925) 45.05,10.925 45.05,13.75 ccw(c45,13.75) 45,13.8 0,13.8 ccw(c0,13.75) -0.05,13.75 -0.05,4.5 ccw(c0,4.5)
TopSolder:
  rectangle: 33.35,4.5 41.35,7.95
  region: 132.05,3.45 132.55,2.95 143.35,2.95 144.75,5.375 144.75,7.95 132.05,7.95
BottomSolder:
  rectangle: 33.35,4.5 41.35,7.95
  region: 132.05,3.45 132.55,2.95 143.35,2.95 144.75,5.375 144.75,7.95 132.05,7.95
KeepOutLayer:
  rectangle: 33.35,4.5 41.35,7.95
  region: 132.05,3.45 132.55,2.95 143.35,2.95 144.75,5.375 144.75,7.95 132.05,7.95

## Silkscreen, mask and mechanical layers (free items; w line width, h text height)
PCI-SIG Outline:
  the board outline again, w0.1
Mechanical7:
  lines w0.1: 148,13.75 129.3,13.75 129.3,7.605 cw(c130.675,7.605) 132.05,7.605 132.05,7.95 ; 148,108.15 137.15,108.15 137.15,111.15 148,111.15 148,12.75 140.8,12.75 ccw(c140.8,11) 139.05,11 139.05,9.7 ccw(c140.8,9.7) 140.8,7.95 132.05,7.95 ; 41.35,7.95 41.35,10.925 cw(c43.175,10.925) 45,10.925 45,13.75 0,13.75 0,4.5 15,4.5 15,12.75 33.35,12.75 33.35,7.95 41.35,7.95 ; 41.35,7.95 41.35,7.95 ; 132.05,7.95 144.75,7.95 144.75,5.375 143.35,2.95 132.55,2.95 132.05,3.45 132.05,7.95

## Dimensions
7,7.5 to 5,106.15 on Dimensions
0,4.5 to 15,4.5 on PCI-SIG Notes
0,0 to 0,111.15 on Dimensions
0,4.5 to 0,111.15 on Dimensions
0,111.15 to 148,111.15 on Dimensions

## Text inside footprints (layer, text, board x,y; h text height)
J5: PCI-SIG Notes "45586-0005" at 136.599,102.909 h0.95